# Allegro board SG2042_EVB_V2_0.brd (continued)
## Routing (per net, layer and track width the routed paths; a pad name or vN(x,y) marks a point on that pad's centre or on a via; arc(x,y) is an arc through that point) (continued)
ASM2812_PCIE_RX3_N: length 10
  TOP w0.114: U3235.N3 v1(147.66,90.61) ; C431.2 v1(148.41,97.82)
  ART14 w0.124: v1(147.66,90.61) 147.37,90.61 arc(147.23,90.64) 147.11,90.72 147.09,90.74 arc(147.02,90.85) 146.99,90.99 146.99,94.09 arc(146.96,94.25) 146.87,94.38 146.78,94.47 arc(146.75,94.52) 146.74,94.58 146.74,95.62 arc(146.83,96.1) 147.1,96.5 147.3,96.71 arc(147.46,96.77) 147.61,96.71 arc(147.76,96.64) 147.91,96.71 147.99,96.78 arc(148.05,96.93) 147.99,97.09 arc(147.93,97.24) 147.99,97.39 v1(148.41,97.82)
ASM2812_PCIE_RX3_P: length 10
  TOP w0.114: C429.2 v1(147.8,97.82) ; U3235.M3 v1(147.66,89.81)
  ART14 w0.124: v1(147.66,89.81) 146.91,90.56 arc(146.78,90.76) 146.74,90.99 146.74,94.09 arc(146.72,94.15) 146.69,94.2 146.61,94.29 arc(146.52,94.42) 146.48,94.58 146.48,95.73 arc(146.58,96.2) 146.85,96.61 147.72,97.48 arc(147.78,97.57) 147.8,97.68 v1(147.8,97.82)
ASM2812_PCIE_RX4_N: length 14.3
  TOP w0.114: C427.2 v1(143.71,101.37) ; U3235.R4 v1(145.26,89.01)
  ART14 w0.124: v1(143.71,101.37) 145.09,99.99 arc(145.31,99.67) 145.38,99.29 145.38,94.59 arc(145.37,94.54) 145.34,94.49 145.25,94.4 arc(145.17,94.27) 145.14,94.12 145.14,89.58 145.31,89.41 145.31,89.06 v1(145.26,89.01)
ASM2812_PCIE_RX4_P: length 14.3
  TOP w0.114: U3235.P4 v1(146.06,89.01) ; C425.2 v1(144.32,101.37)
  ART14 w0.124: v1(144.32,101.37) 144.32,101.23 arc(144.34,101.13) 144.4,101.04 145.27,100.17 arc(145.54,99.77) 145.63,99.29 145.63,94.59 arc(145.6,94.44) 145.52,94.31 145.43,94.23 arc(145.4,94.18) 145.39,94.12 145.39,89.69 145.56,89.51 v1(146.06,89.01)
ASM2812_PCIE_RX5_N: length 10.3
  TOP w0.114: U3235.U3 v1(144.46,90.61) ; C423.2 v1(144.32,97.82)
  ART14 w0.124: v1(144.32,97.82) 143.9,97.39 arc(143.84,97.24) 143.9,97.09 arc(143.96,96.93) 143.9,96.78 143.82,96.71 arc(143.67,96.64) 143.52,96.71 arc(143.37,96.77) 143.22,96.71 143.01,96.5 arc(142.74,96.1) 142.65,95.62 142.65,95.15 arc(142.72,94.77) 142.94,94.45 143.42,93.96 arc(143.69,93.56) 143.79,93.08 143.79,90.99 arc(143.82,90.85) 143.89,90.74 143.91,90.72 arc(144.03,90.64) 144.17,90.61 v1(144.46,90.61)
ASM2812_PCIE_RX5_P: length 10.3
  TOP w0.114: U3235.T3 v1(144.46,89.81) ; C421.2 v1(143.71,97.82)
  ART14 w0.124: v1(143.71,97.82) 143.71,97.68 arc(143.69,97.57) 143.63,97.48 142.76,96.61 arc(142.49,96.2) 142.39,95.73 142.39,95.15 arc(142.49,94.68) 142.76,94.27 143.25,93.79 arc(143.46,93.46) 143.54,93.08 143.54,90.99 arc(143.58,90.76) 143.71,90.56 v1(144.46,89.81)
ASM2812_PCIE_RX6_N: length 14.4
  TOP w0.114: U3235.W4 v1(142.06,89.01) ; C419.2 v1(139.62,101.37)
  ART14 w0.124: v1(139.62,101.37) 141,99.99 arc(141.22,99.67) 141.29,99.29 141.29,94.21 arc(141.37,93.79) 141.61,93.44 141.69,93.36 arc(141.87,93.09) 141.94,92.77 141.94,89.58 142.11,89.41 142.11,89.06 v1(142.06,89.01)
ASM2812_PCIE_RX6_P: length 14.4
  TOP w0.114: C417.2 v1(140.23,101.37) ; U3235.V4 v1(142.86,89.01)
  ART14 w0.124: v1(140.23,101.37) 140.23,101.23 arc(140.25,101.13) 140.31,101.04 141.18,100.17 arc(141.45,99.77) 141.54,99.29 141.54,94.21 arc(141.61,93.89) 141.79,93.62 141.87,93.54 arc(142.11,93.18) 142.19,92.77 142.19,89.69 v1(142.86,89.01)
ASM2812_PCIE_RX7_N: length 10.7
  TOP w0.114: C415.2 v1(140.23,97.82) ; U3235.AA3 v1(141.26,90.61)
  ART14 w0.124: v1(141.26,90.61) 140.97,90.61 arc(140.83,90.64) 140.71,90.72 140.69,90.74 arc(140.62,90.85) 140.59,90.99 140.59,92.22 arc(140.49,92.7) 140.22,93.1 138.85,94.48 arc(138.63,94.8) 138.56,95.18 138.56,95.62 arc(138.65,96.1) 138.92,96.5 139.13,96.71 arc(139.28,96.77) 139.43,96.71 arc(139.58,96.64) 139.74,96.71 139.81,96.78 arc(139.87,96.93) 139.81,97.09 arc(139.75,97.24) 139.81,97.39 v1(140.23,97.82)
ASM2812_PCIE_RX7_P: length 10.7
  TOP w0.114: C413.2 v1(139.62,97.82) ; U3235.Y3 v1(141.26,89.81)
  ART14 w0.124: v1(139.62,97.82) 139.62,97.68 arc(139.6,97.57) 139.54,97.48 138.67,96.61 arc(138.4,96.2) 138.31,95.73 138.31,95.18 arc(138.4,94.7) 138.67,94.3 140.05,92.92 arc(140.26,92.6) 140.34,92.22 140.34,90.99 arc(140.38,90.76) 140.52,90.56 v1(141.26,89.81)
ASM2812_PCIE_TX0_N: length 4.7
  TOP w0.099: U1.BR45 133.25,194.25 133.35,194.15 133.63,194.15 133.85,193.93 133.85,190.51 C6259.1
ASM2812_PCIE_TX0_P: length 4.4
  TOP w0.099: U1.BT45 133.25,193.85 133.35,193.95 133.55,193.95 133.65,193.85 133.65,190.51 C6258.1
ASM2812_PCIE_TX1_N: length 5.7
  TOP w0.099: C6261.1 132.85,191.6 132.85,195.93 132.63,196.15 132.35,196.15 132.25,196.25 U1.BN44
ASM2812_PCIE_TX1_P: length 5.3
  TOP w0.099: C6260.1 132.65,191.6 132.65,195.85 132.55,195.95 132.35,195.95 132.25,195.85 U1.BP44
ASM2812_PCIE_TX2_N: length 4.7
  TOP w0.099: U1.BR43 131.25,194.25 131.35,194.15 131.63,194.15 131.85,193.93 131.85,190.51 C6263.1
ASM2812_PCIE_TX2_P: length 4.4
  TOP w0.099: C6262.1 131.65,190.51 131.65,193.85 131.55,193.95 131.35,193.95 131.25,193.85 U1.BT43
ASM2812_PCIE_TX3_N: length 5.7
  TOP w0.099: C6265.1 130.85,191.6 130.85,195.93 130.63,196.15 130.35,196.15 130.25,196.25 U1.BN42
ASM2812_PCIE_TX3_P: length 5.3
  TOP w0.099: C6264.1 130.65,191.6 130.65,195.85 130.55,195.95 130.35,195.95 130.25,195.85 U1.BP42
ASM2812_PCIE_TX4_N: length 4.7
  TOP w0.099: C6267.1 129.85,190.51 129.85,193.93 129.63,194.15 129.35,194.15 129.25,194.25 U1.BR41
ASM2812_PCIE_TX4_P: length 4.4
  TOP w0.099: C6266.1 129.65,190.51 129.65,193.85 129.55,193.95 129.35,193.95 129.25,193.85 U1.BT41
ASM2812_PCIE_TX5_N: length 5.7
  TOP w0.099: U1.BN40 128.25,196.25 128.35,196.15 128.63,196.15 128.85,195.93 128.85,191.6 C6269.1
ASM2812_PCIE_TX5_P: length 5.3
  TOP w0.099: U1.BP40 128.25,195.85 128.35,195.95 128.55,195.95 128.65,195.85 128.65,191.6 C6268.1
ASM2812_PCIE_TX6_N: length 4.7
  TOP w0.099: C6271.1 127.85,190.51 127.85,193.93 127.63,194.15 127.35,194.15 127.25,194.25 U1.BR39
ASM2812_PCIE_TX6_P: length 4.4
  TOP w0.099: U1.BT39 127.25,193.85 127.35,193.95 127.55,193.95 127.65,193.85 127.65,190.51 C6270.1
ASM2812_PCIE_TX7_N: length 5.7
  TOP w0.099: U1.BN38 126.25,196.25 126.35,196.15 126.63,196.15 126.85,195.93 126.85,191.6 C6273.1
ASM2812_PCIE_TX7_P: length 5.3
  TOP w0.099: U1.BP38 126.25,195.85 126.35,195.95 126.55,195.95 126.65,195.85 126.65,191.6 C6272.1
ASM2812_VCC3.3V: length 31.8
  TOP w0.254: R12509.1 142.8,62.18 C5687.1 ; R12719.2 v1(128.42,72.77) ; R13030.2 v1(161.14,86.79) R12513.2 ; R12514.1 v1(133.83,59.05) 133.1,59.05 R12510.2 ; R12718.2 v1(132.59,73.89) ; R12512.2 v1(145.34,61.14) ; R12517.2 v1(132.59,72.77) ; R12720.2 v1(128.42,73.89) ; R12518.2 v1(130.51,72.77)
  TOP w0.381: v1(140.47,86.61) U3235.AA8 v1(140.47,85.81) U3235.AA9 ; U3235.F19 v1(153.26,77.01) U3235.E19 v1(154.06,77.01) U3235.D19 v1(154.86,77.01) U3235.C19 v1(155.66,77.01) U3235.B19 v1(156.46,77.01) U3235.A19 v1(157.26,77.01) ; U3235.W22 v1(142.06,75.41) U3235.Y22 v1(141.26,75.41) ; v1(142.82,62.81) C5687.1 U3236.8
  ART12 w0.254: 152.68,86.08 160.43,86.08 v1(161.14,86.79)
  BOTTOM w0.254: v1(141.26,75.41) 141.27,75.43 C5737.1 ; 139.88,85.57 C5736.1 140.31,86 ; 154.84,76.84 C5734.1 C5733.1 ; C5733.1 155.7,76.84 ; C5733.1 156.13,76.4 ; C5735.1 153.44,76.84
BISR_BYP: length 83.1
  TOP w0.102: U1.D41 v1(129.75,246.05) ; v1(186.51,279.53) R131.2 R117.1
  ART03 w0.102: v1(186.51,279.53) 186.51,280.04 186.13,280.42 186.13,284.52 185.21,285.45 164.53,285.45 130.63,251.55 130.63,247.91 130.13,247.41 130.13,246.43 v1(129.75,246.05)
BOOT_SEL0: length 95.3
  TOP w0.102: U1.J17 v1(104.75,241.05) ; R104.1 R119.2 v1(42.44,277.8)
  ART03 w0.102: v1(42.44,277.8) 43.23,278.59 43.23,283.17 46.65,286.59 68.74,286.59 104.37,250.96 104.37,241.43 v1(104.75,241.05)
BOOT_SEL1: length 80.8
  TOP w0.102: R112.1 R120.2 v1(45.64,281.25) ; U1.C16 v1(103.75,247.05)
  ART03 w0.102: v1(45.64,281.25) 50.57,286.18 68.48,286.18 103.75,250.91 v1(103.75,247.05)
BOOT_SEL2: length 87.9
  TOP w0.102: U1.H16 v1(103.75,242.05) ; R108.1 R121.2 v1(45.64,277.8)
  ART03 w0.102: v1(45.64,277.8) 46.23,278.38 46.23,281.26 50.74,285.78 67.77,285.78 102.63,250.91 102.63,248.32 103.13,247.82 103.13,242.67 v1(103.75,242.05)
BOOT_SEL3: length 90.3
  TOP w0.089: 104.65,248.26 104.65,248.75 104.58,248.81
  TOP w0.102: U1.B16 104.65,247.95 104.65,248.26 ; R111.1 R122.2 41.83,285.75 46.2,290.12 50.44,290.12 52.31,288.24 71.2,288.24 104.58,254.85 104.58,248.81
BOOT_SEL4: length 86.8
  TOP w0.102: v1(45.64,282.98) R123.2 R113.1 ; U1.J16 v1(103.75,241.05)
  ART03 w0.102: v1(45.64,282.98) 49.05,286.38 68.66,286.38 104.13,250.91 104.13,241.43 v1(103.75,241.05)
BOOT_SEL5: length 82.7
  TOP w0.102: R116.1 R125.2 v1(45.64,279.53) ; U1.D16 v1(103.75,246.05)
  ART03 w0.102: v1(103.75,246.05) 103.37,246.43 103.37,247.92 102.87,248.42 102.87,250.96 67.85,285.98 50.66,285.98 46.02,281.35 46.02,279.91 v1(45.64,279.53)
BOOT_SEL6: length 93.2
  TOP w0.102: R109.1 R126.2 v1(42.44,281.25) ; U1.G18 v1(105.75,243.05)
  ART03 w0.102: v1(42.44,281.25) 42.44,284.11 45.74,287.4 69.64,287.4 106.13,250.91 106.13,243.43 v1(105.75,243.05)
BOOT_SEL7: length 93
  TOP w0.102: U1.F17 v1(104.75,244.05) ; R106.1 R127.2 v1(42.44,279.53)
  ART03 w0.102: v1(104.75,244.05) 105.37,244.67 105.37,250.96 69.13,287.2 45.82,287.2 42.82,284.2 42.82,279.91 v1(42.44,279.53)
CLKIN_SEL0: length 2.2
  TOP w0.102: U17.15 v1(108.38,113.46)
  BOTTOM w0.102: R2112.1 R2111.2 108.2,113.29 v1(108.38,113.46)
CLKIN_SEL1: length 2.3
  TOP w0.102: U17.18 v1(106.88,113.46)
  BOTTOM w0.102: R2113.2 R2114.1 106.48,113.06 v1(106.88,113.46)
CORPOWER_OK: length 1.2
  TOP w0.102: R2075.2 v1(135.76,32.61)
  BOTTOM w0.102: R2075.2 v1(135.76,32.61)
CS0: length 136.7
  TOP w0.102: R2537.2 v1(205.84,288.01) ; U3262.31 v1(89.66,300.02)
  ART14 w0.102: v1(89.66,300.02) 90.3,300.66 91.07,300.66 94.09,303.68 204.64,303.68 208.41,299.92 208.41,293.4 205.46,290.45 205.46,288.39 v1(205.84,288.01)
CS1: length 125.2
  TOP w0.102: R2563.2 v1(204.14,288.01) ; U3263.31 v1(99.9,300.02)
  ART14 w0.102: v1(99.9,300.02) 100.53,300.66 101.3,300.66 103.72,303.07 204.39,303.07 206.86,300.6 206.86,296.85 207.29,296.42 207.29,293.14 203.76,289.61 203.76,288.39 v1(204.14,288.01)
CS2: length 113.5
  TOP w0.102: U3264.31 v1(110.13,300.02) ; R2564.2 v1(202.44,288.01)
  ART14 w0.102: v1(110.13,300.02) 110.77,300.66 111.54,300.66 113.34,302.46 203.04,302.46 205.89,299.61 205.89,296.31 206.65,295.55 206.65,293.37 202.06,288.77 202.06,288.39 v1(202.44,288.01)
CS3: length 94.5
  TOP w0.102: U3265.31 v1(120.37,300.02) ; R2565.2 v1(200.74,288.01)
  ART12 w0.102: v1(200.74,288.01) 200.36,288.39 200.36,290.57 197.08,293.84 197.08,299.42 192.82,303.68 124.8,303.68 121.78,300.66 121,300.66 v1(120.37,300.02)
CS4: length 82.5
  TOP w0.102: R2566.2 v1(199.03,288.01) ; U3266.31 v1(130.61,300.02)
  ART12 w0.102: v1(199.03,288.01) 198.65,288.39 198.65,290.89 194.84,294.7 194.84,300.79 192.56,303.07 134.42,303.07 132.01,300.66 131.24,300.66 v1(130.61,300.02)
CS5: length 69.8
  TOP w0.102: R2567.2 v1(197.33,288.01) ; U3267.31 v1(140.84,300.02)
  ART12 w0.102: v1(197.33,288.01) 196.95,288.39 196.95,291.2 194.23,293.92 194.23,299.3 191.07,302.46 144.05,302.46 142.25,300.66 141.48,300.66 v1(140.84,300.02)
CS6: length 259.1
  TOP w0.102: U3268.31 v1(105.49,141.05) ; R2555.2 v1(195.63,288.01)
  ART03 w0.102: v1(195.63,288.01) 196.82,289.2 206.82,289.2 208.15,287.87 208.15,286.61 209.37,285.39 209.37,275.66 214.17,270.86 214.17,234.06 206.55,226.44 206.55,166.9 v1(207.21,166.24)
  ART05 w0.102: v1(207.21,166.24) 207.21,162.88 199.38,155.04 154.58,155.04 138.4,138.86 106.91,138.86 105.49,140.28 v1(105.49,141.05)
DAC_VDD12A: length 35.6
  TOP w0.254: R12986.2 C6224.1 v1(176.3,80.62)
  TOP w0.381: U3273.R11 v1(189.08,103.63) ; U3273.P11 v1(189.08,102.83) ; U3273.A8 v1(191.48,91.64) ; U3273.N10 v1(189.88,102.03) ; U3273.L10 v1(189.88,99.64) ; U3273.B8 v1(191.48,92.45) ; U3273.P18 v1(182.69,102.83) ; U3273.J10 v1(189.88,98.05) ; U3273.A10 v1(189.88,91.64) ; U3273.C9 v1(190.68,93.25) ; U3273.U21 v1(180.29,105.23) ; U3273.P10 v1(189.88,102.83) ; U3273.K10 v1(189.88,98.85) ; U3273.B17 v1(183.49,92.45) ; U3273.N11 v1(189.08,102.03) ; U3273.M10 v1(189.88,101.23) ; U3273.P23 v1(178.69,102.83) ; U3273.B10 v1(189.88,92.45) ; U3273.B21 v1(180.29,92.45) ; U3273.J11 v1(189.08,98.05)
  ART03 w0.203: v1(185.88,80.01) 184.38,78.51 181.58,78.51 179.48,80.62 v1(176.3,80.62)
  BOTTOM w0.254: 189.51,100.43 C6200.1 ; C6200.1 189.94,100.86 ; C6200.1 189.94,100 ; 191.06,93.4 C6209.1 190.63,93.83 ; 188.29,101.19 C6199.1 188.72,101.63 ; 189.48,91.44 C6208.1 189.92,91.01 ; 191.87,91.44 C6207.1 191.44,91.01 ; 189.51,99.72 C6201.1 189.08,100.15
  BOTTOM w0.381: C6177.1 182.7,102.82 v1(182.69,102.83) 182.7,102.84 C6176.1 ; v1(189.08,98.05) 189.08,98.04 C6197.1 ; C6172.1 C6173.1 180.29,105.23 v1(180.29,105.23) ; R12973.2 187.55,106.11 v1(187.48,106.03) ; v1(178.69,102.83) 178.01,102.83 C6189.1 ; v1(189.08,103.63) 189.08,103.63 C6198.1 ; C6181.1 v1(180.29,92.45)
  vias: v1(185.88,80.54) v1(186.41,80.54) v1(186.41,80.01) v1(186.94,80.54) v1(186.94,80.01)
DDR0_ACT_N: length 56.3
  TOP w0.173: U1.BB55 v1(143.75,207.05)
  ART14 w0.15: v1(143.75,207.05) 144.25,206.55 145.95,206.55 146.73,205.77 152.65,205.77 163.89,217.02 163.89,224.34 165.68,231.64 166.16,233.57 arc(166.46,234.04) 166.99,234.23 167.1,234.23 arc(167.64,234.12) 168.1,233.81 168.18,233.74 arc(168.58,233.47) 169.05,233.37 169.08,233.37 arc(169.55,233.47) 169.95,233.74 170.08,233.86 arc(170.48,234.13) 170.95,234.23 170.98,234.23 arc(171.45,234.13) 171.85,233.86 171.92,233.79 arc(172.38,233.48) 172.93,233.37 173.7,233.37 arc(174.24,233.27) 174.7,232.96 174.72,232.94 arc(175.18,232.63) 175.72,232.53 J1.62
DDR0_ALERT_N: length 56.8
  TOP w0.173: J1.208 183.94,230.83 R2241.1 ; U1.AV51 v1(139.75,211.05)
  ART05 w0.135: v1(139.75,211.05) 140.25,210.55 149.26,210.55 159.76,221.06 159.76,224.18 166.41,230.83 167.1,230.83 arc(167.64,230.93) 168.1,231.24 168.18,231.31 arc(168.58,231.58) 169.05,231.67 169.08,231.67 arc(169.55,231.58) 169.95,231.31 170.08,231.19 arc(170.48,230.92) 170.95,230.83 170.98,230.83 arc(171.45,230.92) 171.85,231.19 171.92,231.26 arc(172.38,231.57) 172.93,231.67 173.7,231.67 arc(174.24,231.57) 174.7,231.26 174.72,231.24 arc(175.18,230.93) 175.73,230.83 176.5,230.83 arc(177.04,230.93) 177.5,231.24 177.57,231.31 arc(177.98,231.58) 178.45,231.67 178.48,231.67 arc(178.95,231.58) 179.35,231.31 179.42,231.24 arc(179.88,230.93) 180.42,230.83 J1.208
DDR0_ATB0: length 1.4
  TOP w0.173: U1.BD48 v1(136.75,205.05)
  BOTTOM w0.173: T11.1 v1(136.75,205.05)
DDR0_ATB1: length 1.4
  TOP w0.173: U1.BC48 v1(136.75,206.05)
  BOTTOM w0.173: T12.1 v1(136.75,206.05)
DDR0_BA0: length 48.8
  TOP w0.173: U1.BE55 v1(143.75,204.05)
  BOTTOM w0.173: J1.81 176.71,211.27 172.92,211.27 arc(172.38,211.38) 171.93,211.69 171.85,211.77 arc(171.45,212.03) 170.98,212.13 170.95,212.13 arc(170.48,212.03) 170.08,211.77 169.95,211.63 arc(169.55,211.37) 169.08,211.27 169.05,211.27 arc(168.58,211.37) 168.18,211.63 168.1,211.71 arc(167.64,212.02) 167.1,212.13 165.03,212.13 164.45,211.54 164.45,211.3 165.58,210.17 165.58,209.92 165.27,209.62 165.03,209.62 163.9,210.75 163.65,210.75 163.35,210.44 163.35,210.2 164.48,209.07 164.48,208.83 164.17,208.52 163.93,208.52 162.8,209.65 162.55,209.65 162.25,209.34 162.25,209.1 163.38,207.97 163.38,207.73 163.07,207.42 162.83,207.42 161.7,208.55 161.46,208.55 156.22,203.32 145.65,203.32 145.42,203.55 144.25,203.55 v1(143.75,204.05)
DDR0_BA1: length 51.7
  TOP w0.173: U1.BD54 v1(142.75,205.05)
  BOTTOM w0.173: J1.224 180.42,212.13 arc(179.88,212.23) 179.42,212.54 179.35,212.62 arc(178.95,212.88) 178.48,212.97 178.44,212.97 arc(177.98,212.88) 177.58,212.62 177.5,212.54 arc(177.04,212.23) 176.5,212.13 175.72,212.13 arc(175.18,212.23) 174.73,212.54 174.7,212.56 arc(174.24,212.87) 173.7,212.97 172.92,212.97 arc(172.38,213.08) 171.93,213.39 171.85,213.47 arc(171.45,213.73) 170.98,213.83 170.95,213.83 arc(170.48,213.73) 170.08,213.47 169.95,213.34 arc(169.55,213.07) 169.08,212.98 169.05,212.98 arc(168.57,213.07) 168.17,213.34 168.1,213.41 arc(167.64,213.72) 167.11,213.83 165.75,213.83 159.96,208.03 159.72,208.03 159.15,208.6 158.91,208.6 158.6,208.29 158.6,208.05 159.17,207.48 159.17,207.24 158.86,206.93 158.62,206.93 158.05,207.5 157.81,207.5 157.5,207.19 157.5,206.95 158.07,206.38 158.07,206.14 157.76,205.83 157.52,205.83 156.95,206.4 156.71,206.4 156.4,206.09 156.4,205.85 156.97,205.28 156.97,205.04 155.94,204.01 145.77,204.01 145.23,204.55 143.25,204.55 v1(142.75,205.05)
DDR0_BG0: length 53.3
  TOP w0.173: U1.BC55 v1(143.75,206.05)
  ART14 w0.15: v1(143.75,206.05) 145.05,206.05 145.83,205.28 152.86,205.28 164.39,216.81 164.39,224.28 166.16,231.51 166.34,232.26 arc(166.47,232.45) 166.68,232.53 167.1,232.53 arc(167.64,232.42) 168.1,232.11 168.18,232.04 arc(168.58,231.77) 169.05,231.67 169.08,231.67 arc(169.55,231.77) 169.95,232.04 170.08,232.16 arc(170.48,232.43) 170.95,232.53 170.98,232.53 arc(171.45,232.43) 171.85,232.16 171.92,232.09 arc(172.38,231.78) 172.92,231.68 J1.63
DDR0_BG1: length 55.7
  TOP w0.173: U1.AV52 v1(140.75,211.05)
  ART07 w0.135: v1(140.75,211.05) 141.25,210.55 149.79,210.55 160.07,220.83 160.07,226.18 165.24,231.35 165.43,231.35 165.64,231.14 165.83,231.14 166.13,231.43 166.13,231.62 165.91,231.84 165.91,232.03 166.41,232.53 167.1,232.53 arc(167.64,232.63) 168.1,232.94 168.18,233.01 arc(168.58,233.28) 169.05,233.37 169.08,233.37 arc(169.55,233.28) 169.95,233.01 170.08,232.89 arc(170.48,232.62) 170.95,232.53 170.98,232.53 arc(171.45,232.62) 171.85,232.89 171.92,232.96 arc(172.38,233.27) 172.93,233.37 173.7,233.37 arc(174.24,233.27) 174.7,232.96 174.72,232.94 arc(175.18,232.63) 175.73,232.53 176.5,232.53 arc(177.04,232.63) 177.5,232.94 177.57,233.01 arc(177.98,233.28) 178.45,233.37 178.48,233.37 arc(178.95,233.28) 179.35,233.01 180.39,231.97 arc(180.48,231.84) J1.207
DDR0_CAL_0: length 2.4
  TOP w0.173: U1.BA49 v1(137.75,208.05)
  BOTTOM w0.173: T10.1 138.25,209.55 R701.1 v1(137.75,208.05)
DDR0_CID0: length 47.4
  TOP w0.173: U1.BG52 v1(140.75,202.05)
  ART07 w0.135: v1(140.75,202.05) 141.25,202.55 159.01,202.55 159.14,202.42 159.14,201.51 159.28,201.37 159.69,201.37 159.83,201.51 159.83,202.42 159.96,202.55 160.38,202.55 160.51,202.42 160.51,201.51 160.65,201.37 161.06,201.37 161.2,201.51 161.2,202.42 161.33,202.55 161.75,202.55 161.89,202.42 161.89,201.51 162.02,201.37 162.44,201.37 162.57,201.51 162.57,202.42 162.71,202.55 164.07,202.55 164.41,202.22 164.41,202.03 163.89,201.51 163.89,201.32 164.18,201.02 164.37,201.02 164.89,201.54 165.08,201.54 165.38,201.25 165.38,201.06 165.08,200.76 165.08,200.57 165.38,200.28 165.57,200.28 165.86,200.57 166.05,200.57 166.4,200.22 167.1,200.22 arc(167.64,200.33) 168.1,200.64 168.18,200.71 arc(168.58,200.98) 169.05,201.08 169.08,201.08 arc(169.55,200.98) 169.95,200.71 170.08,200.59 arc(170.48,200.32) 170.95,200.22 170.98,200.22 arc(171.45,200.32) 171.85,200.59 171.92,200.66 arc(172.38,200.97) 172.93,201.08 J1.93
DDR0_CID1: length 47.5
  TOP w0.173: U1.BF51 v1(139.75,203.05)
  ART05 w0.135: v1(139.75,203.05) 140.25,202.55 161.2,202.55 161.83,201.92 162.36,201.92 162.5,202.06 162.5,202.68 162.63,202.82 163.05,202.82 163.18,202.68 163.18,202.06 163.32,201.92 163.73,201.92 163.87,202.06 163.87,202.68 164,202.82 164.42,202.82 164.55,202.68 164.55,202.06 164.69,201.92 165.11,201.92 165.24,202.06 165.24,202.68 165.38,202.82 165.79,202.82 165.93,202.68 165.93,202.06 166.06,201.92 167.1,201.92 arc(167.64,202.03) 168.1,202.34 168.18,202.41 arc(168.58,202.68) 169.05,202.78 169.08,202.78 arc(169.55,202.68) 169.95,202.41 170.08,202.29 arc(170.48,202.02) 170.95,201.92 170.98,201.92 arc(171.45,202.02) 171.85,202.29 171.92,202.36 arc(172.38,202.67) 172.93,202.78 173.7,202.78 arc(174.24,202.67) 174.7,202.36 174.72,202.34 arc(175.18,202.03) 175.73,201.92 176.5,201.92 arc(177.04,201.82) 177.5,201.51 177.52,201.49 arc(177.98,201.18) 178.52,201.08 J1.237
DDR0_CKE0: length 57.6
  TOP w0.173: U1.AU50 v1(138.75,212.05)
  ART05 w0.135: J1.60 175.73,234.23 arc(175.18,234.33) 174.72,234.64 174.7,234.66 arc(174.24,234.97) 173.7,235.07 172.93,235.07 arc(172.38,234.97) 171.92,234.66 171.85,234.59 arc(171.45,234.32) 170.98,234.23 170.95,234.23 arc(170.48,234.32) 170.08,234.59 169.95,234.71 arc(169.55,234.98) 169.08,235.07 169.05,235.07 arc(168.58,234.98) 168.18,234.71 168.1,234.64 arc(167.64,234.33) 167.1,234.23 166.41,234.23 165.49,233.3 165.49,233.11 166.04,232.55 166.04,232.36 165.75,232.07 165.56,232.07 165,232.63 164.81,232.63 164.52,232.33 164.52,232.14 165.07,231.58 165.07,231.39 164.78,231.1 164.59,231.1 164.03,231.66 163.84,231.66 158.97,226.79 158.97,221.39 149.13,211.55 139.25,211.55 v1(138.75,212.05)
DDR0_CKE1: length 57.4
  TOP w0.173: U1.AU51 v1(139.75,212.05)
  ART07 w0.135: J1.203 178.52,235.08 arc(177.98,235.18) 177.52,235.49 177.5,235.51 arc(177.04,235.82) 176.5,235.93 175.73,235.93 arc(175.18,236.03) 174.72,236.34 174.7,236.36 arc(174.24,236.67) 173.7,236.77 172.93,236.77 arc(172.38,236.67) 171.92,236.36 171.85,236.29 arc(171.45,236.02) 170.98,235.93 170.95,235.93 arc(170.48,236.02) 170.08,236.29 169.95,236.41 arc(169.55,236.68) 169.08,236.77 169.05,236.77 arc(168.58,236.68) 168.18,236.41 168.1,236.34 arc(167.64,236.03) 167.1,235.93 166.41,235.93 159.22,228.74 159.22,221.15 149.62,211.55 140.25,211.55 v1(139.75,212.05)
DDR0_CLK0_N: length 54.6
  TOP w0.127: U1.BB52 v1(140.75,207.05)
  ART05 w0.112: 146.43,206.43 146.4,206.43 146.39,206.44 141.2,206.44 140.97,206.67 140.97,206.83 v1(140.75,207.05)
  ART05 w0.117: 146.43,206.43 154.61,206.43 155.77,207.58 155.93,207.58 156.67,206.85 157.04,206.85 157.61,207.42 157.61,207.79 156.87,208.53 156.87,208.69 157.3,209.12 157.47,209.12 158.21,208.38 158.57,208.38 159.15,208.95 159.15,209.32 158.41,210.06 158.41,210.23 158.84,210.65 159,210.65 159.74,209.92 160.11,209.92 160.68,210.49 160.68,210.86 159.94,211.59 159.94,211.76 160.37,212.19 160.54,212.19 161.28,211.45 161.64,211.45 162.22,212.02 162.22,212.39 161.48,213.13 161.48,213.29 166.33,218.15 171.05,218.15 arc(171.94,218.33) 172.7,218.83 175.71,221.84 arc(176.1,222.11) 176.57,222.2 177.08,222.2 arc(177.21,222.17) 177.31,222.07 177.32,222.03 arc(177.34,221.88) 177.24,221.76 J1.75
DDR0_CLK0_P: length 54.6
  TOP w0.127: U1.BB53 v1(141.75,207.05)
  ART05 w0.112: 146.43,206.67 146.4,206.67 146.39,206.66 141.29,206.66 141.19,206.77 141.19,206.93 141.31,207.05 v1(141.75,207.05)
  ART05 w0.117: J1.74 177.51,222.43 arc(177.36,222.44) 177.21,222.45 176.57,222.45 arc(176.01,222.33) 175.53,222.02 172.53,219.01 arc(171.85,218.55) 171.05,218.39 166.23,218.39 161.23,213.4 161.23,213.03 161.97,212.29 161.97,212.13 161.54,211.7 161.38,211.7 160.64,212.43 160.27,212.43 159.7,211.86 159.7,211.49 160.44,210.76 160.44,210.59 160.01,210.16 159.84,210.16 159.1,210.9 158.74,210.9 158.17,210.33 158.17,209.96 158.9,209.22 158.9,209.06 158.47,208.63 158.31,208.63 157.57,209.36 157.2,209.36 156.63,208.79 156.63,208.42 157.37,207.69 157.37,207.52 156.94,207.09 156.77,207.09 156.03,207.83 155.67,207.83 154.51,206.67 146.43,206.67
DDR0_CLK1_N: length 53.6
  TOP w0.127: U1.BC53 v1(141.75,206.05)
  ART05 w0.112: 146.43,205.25 146.4,205.25 146.39,205.26 145.34,205.26 145.17,205.44 142.2,205.44 141.96,205.67 141.96,205.84 v1(141.75,206.05)
  ART05 w0.117: J1.219 181.05,221.76 arc(181.14,221.87) 181.13,222.02 181.1,222.07 arc(181.01,222.17) 180.88,222.2 180.38,222.2 arc(179.92,222.11) 179.54,221.85 179.4,221.72 arc(179,221.45) 178.52,221.35 178.4,221.35 arc(178.02,221.28) 177.69,221.06 177.52,220.89 arc(177.1,220.6) 176.6,220.5 176.48,220.5 arc(176.08,220.42) 175.73,220.19 173.2,217.66 arc(172.44,217.15) 171.55,216.98 168.83,216.98 168.1,216.25 167.74,216.25 167.2,216.78 167.04,216.78 166.61,216.35 166.61,216.18 167.14,215.65 167.14,215.28 166.57,214.71 166.2,214.71 165.67,215.25 165.5,215.25 165.07,214.82 165.07,214.65 165.61,214.12 165.61,213.75 165.03,213.18 164.67,213.18 164.13,213.71 163.97,213.71 163.54,213.28 163.54,213.12 164.07,212.58 164.07,212.21 157.11,205.25 146.43,205.25
DDR0_CLK1_P: length 53.7
  TOP w0.127: U1.BC54 v1(142.75,206.05)
  ART05 w0.112: 146.43,205.5 146.4,205.5 146.39,205.49 145.44,205.49 145.26,205.66 142.29,205.66 142.18,205.77 142.18,205.94 142.3,206.05 v1(142.75,206.05)
  ART05 w0.117: J1.218 181.31,222.43 arc(181.16,222.44) 181.01,222.45 180.38,222.45 arc(179.83,222.34) 179.37,222.03 179.23,221.89 arc(178.9,221.67) 178.52,221.6 178.4,221.6 arc(177.93,221.5) 177.52,221.23 177.35,221.06 arc(177,220.83) 176.6,220.75 176.48,220.75 arc(175.98,220.65) 175.56,220.36 173.03,217.83 arc(172.35,217.38) 171.55,217.22 168.73,217.22 168,216.49 167.84,216.49 167.3,217.02 166.94,217.02 166.36,216.45 166.36,216.08 166.9,215.55 166.9,215.38 166.47,214.96 166.3,214.96 165.77,215.49 165.4,215.49 164.83,214.92 164.83,214.55 165.36,214.02 165.36,213.85 164.93,213.42 164.77,213.42 164.23,213.95 163.87,213.95 163.29,213.38 163.29,213.01 163.83,212.48 163.83,212.32 157.01,205.5 146.43,205.5
DDR0_CS_N0: length 46.8
  TOP w0.173: U1.BF56 v1(144.75,203.05)
  BOTTOM w0.173: v1(144.75,203.05) 145.21,203.05 145.63,202.63 156.74,202.63 157.83,203.71 158.07,203.71 158.91,202.87 159.16,202.87 159.46,203.18 159.46,203.42 158.62,204.26 158.62,204.51 158.93,204.81 159.17,204.81 160.01,203.97 160.26,203.97 160.56,204.28 160.56,204.52 159.72,205.36 159.72,205.61 160.02,205.91 160.27,205.91 161.11,205.07 161.36,205.07 161.66,205.37 161.66,205.62 160.82,206.46 160.82,206.71 161.12,207.01 161.37,207.01 162.38,206 162.63,206 165.35,208.73 167.11,208.73 arc(167.64,208.83) 168.1,209.14 168.18,209.22 arc(168.58,209.48) 169.05,209.57 169.08,209.57 arc(169.55,209.48) 169.95,209.22 170.08,209.08 arc(170.48,208.82) 170.95,208.73 170.98,208.73 arc(171.45,208.82) 171.85,209.08 171.93,209.16 arc(172.38,209.47) 172.92,209.57 173.7,209.57 arc(174.24,209.47) 174.7,209.16 174.73,209.14 arc(175.18,208.83) 175.72,208.73 J1.84
DDR0_CS_N1: length 45.2
  TOP w0.173: U1.BG55 v1(143.75,202.05)
  BOTTOM w0.173: J1.89 172.92,204.48 arc(172.38,204.37) 171.93,204.06 171.85,203.98 arc(171.45,203.72) 170.98,203.62 170.95,203.62 arc(170.48,203.72) 170.08,203.98 169.95,204.12 arc(169.55,204.38) 169.08,204.48 169.05,204.48 arc(168.58,204.38) 168.18,204.12 168.1,204.04 arc(167.64,203.73) 167.1,203.62 166.14,203.62 165.97,203.8 165.97,205.77 165.79,205.94 165.36,205.94 165.19,205.77 165.19,203.8 165.02,203.62 164.58,203.62 164.41,203.8 164.41,205.26 164.24,205.44 163.81,205.44 163.63,205.26 163.63,203.8 163.46,203.62 163.03,203.62 162.86,203.8 162.86,204.75 162.68,204.93 162.25,204.93 162.08,204.75 162.08,203.8 161.91,203.62 161.28,203.62 159.59,201.94 145.59,201.94 144.97,202.55 144.25,202.55 v1(143.75,202.05)
DDR0_DM0_N: length 93.8
  TOP w0.127: U1.AJ55 v1(143.75,220.05)
  ART14 w0.122: v1(143.75,220.05) 144.03,220.33 144.03,220.42 144.27,220.66 145.3,220.66 145.95,221.3 145.95,221.34
  ART14 w0.135: J1.8 178.03,279.25 arc(177.95,279.42) 177.83,279.56 177.52,279.88 arc(177.1,280.16) 176.61,280.26 175.68,280.26 arc(175.13,280.15) 174.66,279.84 174.58,279.75 arc(174.2,279.49) 173.75,279.41 172.88,279.41 arc(172.43,279.49) 172.05,279.75 171.94,279.86 arc(171.5,280.15) 170.98,280.26 170.95,280.26 arc(170.43,280.15) 169.99,279.86 169.86,279.73 arc(169.5,279.49) 169.08,279.41 169.05,279.41 arc(168.63,279.49) 168.27,279.73 168.16,279.84 arc(167.7,280.15) 167.15,280.26 164.9,280.26 164.2,279.55 164.01,279.55 163.17,280.39 162.77,280.39 162.17,279.79 162.17,279.39 163,278.55 163,278.36 162.56,277.92 162.37,277.92 161.53,278.75 161.13,278.75 160.53,278.15 160.53,277.75 161.37,276.91 161.37,276.72 160.92,276.28 160.73,276.28 159.89,277.11 159.49,277.11 158.89,276.52 158.89,276.11 159.73,275.27 159.73,275.08 146.74,262.09 146.74,222.13 145.95,221.34
DDR0_DM0_P: length 93.7
  TOP w0.127: U1.AJ56 v1(144.75,220.05)
  ART14 w0.122: v1(144.75,220.05) 144.37,220.05 144.25,220.17 144.25,220.33 144.36,220.44 145.39,220.44 146.07,221.13 146.11,221.13 146.13,221.16
  ART14 w0.135: 146.13,221.16 147,222.02 147,261.98 159.99,274.97 159.99,275.38 159.15,276.22 159.15,276.41 159.6,276.85 159.79,276.85 160.62,276.01 161.03,276.01 161.63,276.61 161.63,277.02 160.79,277.86 160.79,278.05 161.23,278.49 161.42,278.49 162.26,277.65 162.67,277.65 163.27,278.25 163.27,278.66 162.43,279.5 162.43,279.69 162.87,280.13 163.06,280.13 163.9,279.29 164.31,279.29 165.01,279.99 167.15,279.99 arc(167.6,279.91) 167.98,279.65 168.09,279.54 arc(168.53,279.25) 169.05,279.14 169.08,279.14 arc(169.6,279.25) 170.04,279.54 170.17,279.67 arc(170.53,279.91) 170.95,279.99 170.98,279.99 arc(171.4,279.91) 171.76,279.67 171.87,279.56 arc(172.33,279.25) 172.88,279.14 173.75,279.14 arc(174.3,279.25) 174.76,279.56 174.85,279.65 arc(175.23,279.91) 175.68,279.99 176.61,279.99 arc(177,279.92) 177.33,279.69 177.65,279.38 arc(177.72,279.25) 177.69,279.11 177.65,279.03 arc(177.52,278.92) 177.34,278.94 J1.7
DDR0_DM1_N: length 91.3
  TOP w0.127: U1.AP56 v1(144.75,215.05)
  ART14 w0.122: v1(144.75,215.05) 144.29,215.05 144.17,215.17 144.17,215.32 144.29,215.44 145.31,215.44 145.67,215.81 146.86,215.81 146.88,215.78 146.91,215.78
  ART14 w0.135: 146.91,215.78 148.5,215.78 152.47,219.75 152.47,245.78 153.86,247.17 153.86,247.58 153.21,248.23 153.21,248.42 153.66,248.86 153.85,248.86 154.5,248.21 154.9,248.21 155.5,248.81 155.5,249.22 154.85,249.87 154.85,250.06 155.29,250.5 155.48,250.5 156.14,249.85 156.54,249.85 157.14,250.45 157.14,250.86 156.49,251.51 156.49,251.7 156.93,252.14 157.12,252.14 157.78,251.49 158.18,251.49 158.78,252.09 158.78,252.5 158.13,253.15 158.13,253.34 158.57,253.78 158.76,253.78 159.41,253.13 159.82,253.13 160.42,253.73 160.42,254.14 159.77,254.79 159.77,254.98 160.21,255.42 160.4,255.42 161.05,254.77 161.46,254.77 163.13,256.44 163.13,266.53 166.39,269.79 167.23,269.79 arc(167.6,269.72) 167.92,269.51 168.09,269.34 arc(168.53,269.05) 169.05,268.94 169.08,268.94 arc(169.6,269.05) 170.04,269.34 170.17,269.47 arc(170.53,269.71) 170.95,269.79 170.98,269.79 arc(171.4,269.71) 171.76,269.47 171.87,269.36 arc(172.33,269.05) 172.88,268.94 173.77,268.94 arc(174.3,269.05) 174.75,269.35 174.84,269.44 arc(175.2,269.68) 175.63,269.77 177.12,269.77 arc(177.24,269.73) 177.33,269.64 177.34,269.61 arc(177.36,269.48) 177.27,269.37 J1.19
DDR0_DM1_P: length 91.2
  TOP w0.127: U1.AP55 v1(143.75,215.05)
  ART14 w0.122: 146.91,216.04 146.88,216.04 146.86,216.02 145.58,216.02 145.22,215.66 144.2,215.66 143.96,215.41 143.96,215.26 v1(143.75,215.05)
  ART14 w0.135: J1.18 177.53,270.01 arc(177.38,270.02) 177.23,270.03 175.63,270.03 arc(175.1,269.92) 174.65,269.62 174.56,269.53 arc(174.2,269.29) 173.77,269.21 172.88,269.21 arc(172.43,269.29) 172.05,269.55 171.94,269.66 arc(171.5,269.95) 170.98,270.06 170.95,270.06 arc(170.43,269.95) 169.99,269.66 169.86,269.53 arc(169.5,269.29) 169.08,269.21 169.05,269.21 arc(168.63,269.29) 168.27,269.53 168.1,269.7 arc(167.7,269.96) 167.23,270.06 166.29,270.06 162.87,266.64 162.87,256.54 161.35,255.03 161.16,255.03 160.51,255.68 160.1,255.68 159.51,255.09 159.51,254.68 160.16,254.03 160.16,253.84 159.71,253.39 159.52,253.39 158.87,254.04 158.46,254.04 157.87,253.45 157.87,253.04 158.52,252.39 158.52,252.2 158.07,251.75 157.88,251.75 157.23,252.4 156.83,252.4 156.23,251.81 156.23,251.4 156.88,250.75 156.88,250.56 156.43,250.11 156.24,250.11 155.59,250.77 155.19,250.77 154.59,250.17 154.59,249.76 155.24,249.11 155.24,248.92 154.8,248.47 154.61,248.47 153.95,249.13 153.55,249.13 152.95,248.53 152.95,248.12 153.6,247.47 153.6,247.28 152.21,245.89 152.21,219.86 148.39,216.04 146.91,216.04
DDR0_DM2_N: length 79.2
  TOP w0.127: U1.AK49 v1(137.75,219.05)
  ART05 w0.112: 145.91,222.36 145.91,222.35 145.23,221.66 140.2,221.66 139.2,220.66 138.45,220.66 138.14,220.35 138.14,219.74 137.75,219.35 v1(137.75,219.05)
  ART05 w0.117: J1.30 178.01,260.58 arc(177.94,260.72) 177.84,260.84 177.52,261.17 arc(177.1,261.45) 176.6,261.55 175.68,261.55 arc(175.13,261.44) 174.67,261.13 174.59,261.05 arc(174.2,260.79) 173.74,260.7 172.88,260.7 arc(172.43,260.79) 172.04,261.05 171.94,261.15 arc(171.5,261.44) 170.98,261.55 170.95,261.55 arc(170.43,261.44) 169.99,261.15 169.86,261.02 arc(169.5,260.78) 169.08,260.7 169.05,260.7 arc(168.62,260.78) 168.26,261.02 168.09,261.19 arc(167.7,261.45) 167.24,261.55 166.33,261.55 154.2,249.42 154.03,249.42 153.34,250.1 152.97,250.1 152.4,249.53 152.4,249.16 153.09,248.47 153.09,248.31 152.66,247.88 152.5,247.88 151.81,248.57 151.44,248.57 150.87,248 150.87,247.63 151.55,246.94 151.55,246.77 151.13,246.35 150.96,246.35 150.27,247.03 149.9,247.03 149.33,246.46 149.33,246.09 150.02,245.4 150.02,245.24 149.06,244.28 149.06,225.51 145.91,222.36
DDR0_DM2_P: length 79.1
  TOP w0.127: U1.AK50 v1(138.75,219.05)
  ART05 w0.112: 146.08,222.19 146.07,222.19 145.32,221.44 140.3,221.44 139.3,220.44 138.55,220.44 138.36,220.25 138.36,219.65 138.21,219.5 138.21,219.24 138.4,219.05 v1(138.75,219.05)
  ART05 w0.117: 146.08,222.19 149.31,225.41 149.31,244.18 150.26,245.14 150.26,245.51 149.57,246.19 149.57,246.36 150.01,246.79 150.17,246.79 150.86,246.1 151.23,246.1 151.8,246.67 151.8,247.04 151.11,247.73 151.11,247.89 151.54,248.33 151.71,248.33 152.39,247.64 152.76,247.64 153.33,248.21 153.33,248.58 152.64,249.26 152.64,249.43 153.08,249.86 153.24,249.86 153.93,249.17 154.3,249.17 166.43,261.3 167.24,261.3 arc(167.61,261.23) 167.92,261.02 168.09,260.85 arc(168.53,260.56) 169.05,260.45 169.08,260.45 arc(169.6,260.56) 170.04,260.85 170.16,260.98 arc(170.52,261.22) 170.95,261.3 170.98,261.3 arc(171.4,261.22) 171.76,260.98 171.87,260.87 arc(172.33,260.56) 172.88,260.45 173.74,260.45 arc(174.29,260.56) 174.76,260.87 174.84,260.95 arc(175.23,261.21) 175.68,261.3 176.6,261.3 arc(177,261.22) 177.34,261 177.65,260.69 arc(177.71,260.56) 177.69,260.42 177.65,260.35 arc(177.51,260.23) 177.32,260.25 J1.29
DDR0_DM3_N: length 75.6
  TOP w0.127: U1.AP52 v1(140.75,215.05)
  ART05 w0.112: v1(140.75,215.05) 140.26,215.05 140.14,215.17 140.14,215.33 140.24,215.44 146.74,215.44 147.2,215.89 147.21,215.89
  ART05 w0.117: 147.21,215.89 154.55,223.24 154.55,236.3 155.43,237.18 155.43,237.54 154.79,238.19 154.79,238.36 155.22,238.79 155.38,238.79 156.03,238.14 156.4,238.14 156.97,238.71 156.97,239.08 156.32,239.73 156.32,239.89 156.75,240.32 156.92,240.32 157.56,239.67 157.93,239.67 158.5,240.25 158.5,240.61 157.86,241.26 157.86,241.43 158.29,241.86 158.45,241.86 159.1,241.21 159.47,241.21 160.04,241.78 160.04,242.15 159.39,242.8 159.39,242.96 159.82,243.39 159.99,243.39 160.63,242.74 161,242.74 161.57,243.32 161.57,243.68 160.93,244.33 160.93,244.5 161.36,244.93 161.52,244.93 162.17,244.28 162.54,244.28 163.34,245.08 163.34,248.02 166.42,251.1 167.2,251.1 arc(167.61,251.02) 167.95,250.79 168.09,250.65 arc(168.53,250.36) 169.05,250.25 169.08,250.25 arc(169.6,250.36) 170.04,250.65 170.16,250.78 arc(170.52,251.02) 170.95,251.1 170.98,251.1 arc(171.4,251.02) 171.76,250.78 171.87,250.67 arc(172.33,250.36) 172.88,250.25 173.74,250.25 arc(174.29,250.36) 174.76,250.67 174.84,250.75 arc(175.23,251.01) 175.68,251.1 177.08,251.1 arc(177.21,251.07) 177.3,250.97 177.33,250.92 arc(177.34,250.77) 177.25,250.66 J1.41
DDR0_DM3_P: length 75.5
  TOP w0.127: U1.AP51 v1(139.75,215.05)
  ART05 w0.112: 147.04,216.07 147.04,216.05 146.65,215.66 140.15,215.66 139.92,215.43 139.92,215.22 v1(139.75,215.05)
  ART05 w0.117: J1.40 177.51,251.33 arc(177.36,251.34) 177.21,251.35 175.68,251.35 arc(175.13,251.24) 174.67,250.93 174.59,250.85 arc(174.2,250.59) 173.74,250.5 172.88,250.5 arc(172.43,250.59) 172.04,250.85 171.94,250.95 arc(171.5,251.24) 170.98,251.35 170.95,251.35 arc(170.43,251.24) 169.99,250.95 169.86,250.82 arc(169.5,250.58) 169.08,250.5 169.05,250.5 arc(168.62,250.58) 168.26,250.82 168.12,250.97 arc(167.7,251.25) 167.2,251.35 166.32,251.35 163.09,248.12 163.09,245.18 162.44,244.52 162.27,244.52 161.62,245.17 161.25,245.17 160.68,244.6 160.68,244.23 161.33,243.58 161.33,243.42 160.9,242.99 160.74,242.99 160.09,243.64 159.72,243.64 159.15,243.06 159.15,242.7 159.8,242.05 159.8,241.88 159.37,241.45 159.2,241.45 158.55,242.1 158.19,242.1 157.61,241.53 157.61,241.16 158.26,240.51 158.26,240.35 157.83,239.92 157.67,239.92 157.02,240.57 156.65,240.57 156.08,239.99 156.08,239.63 156.73,238.98 156.73,238.81 156.3,238.38 156.13,238.38 155.48,239.03 155.12,239.03 154.54,238.46 154.54,238.09 155.19,237.44 155.19,237.28 154.31,236.4 154.31,223.34 147.04,216.07
DDR0_DM4_N: length 49.3
  TOP w0.127: U1.BJ54 v1(142.75,200.05)
  ART14 w0.122: 146.43,199.08 146.4,199.08 146.37,199.05 146.11,199.05 145.5,199.66 142.31,199.66 142.18,199.78 142.18,199.92 142.31,200.05 v1(142.75,200.05)
  ART14 w0.135: 146.43,199.08 151.08,199.08 151.36,198.79 151.36,197.09 151.5,196.96 152.13,196.96 152.26,197.09 152.26,198.79 152.55,199.08 153.39,199.08 153.68,198.79 153.68,197.07 153.81,196.93 154.44,196.93 154.58,197.07 154.58,198.79 154.86,199.08 155.71,199.08 156,198.79 156,197.09 156.13,196.96 167.15,196.96 arc(167.7,196.85) 168.16,196.54 168.27,196.43 arc(168.63,196.19) 169.05,196.11 169.08,196.11 arc(169.5,196.19) 169.86,196.43 169.99,196.56 arc(170.43,196.85) 170.95,196.96 170.98,196.96 arc(171.5,196.85) 171.94,196.56 172.05,196.45 arc(172.43,196.19) 172.88,196.11 173.75,196.11 arc(174.2,196.19) 174.58,196.45 174.66,196.54 arc(175.13,196.85) 175.68,196.96 176.6,196.96 arc(177.1,196.86) 177.52,196.58 177.84,196.25 arc(177.95,196.12) 178.02,195.96 J1.100
DDR0_DM4_P: length 49.2
  TOP w0.127: U1.BJ53 v1(141.75,200.05)
  ART14 w0.122: v1(141.75,200.05) 141.97,199.83 141.97,199.69 142.22,199.44 145.42,199.44 146.02,198.84 146.37,198.84 146.4,198.81 146.43,198.81
  ART14 w0.135: 146.43,198.81 150.97,198.81 151.1,198.68 151.1,196.98 151.39,196.69 152.23,196.69 152.52,196.98 152.52,198.68 152.66,198.81 153.28,198.81 153.42,198.68 153.42,196.96 153.71,196.67 154.55,196.67 154.84,196.96 154.84,198.68 154.97,198.81 155.6,198.81 155.74,198.68 155.74,196.98 156.02,196.69 167.15,196.69 arc(167.6,196.61) 167.98,196.35 168.09,196.24 arc(168.53,195.95) 169.05,195.84 169.08,195.84 arc(169.6,195.95) 170.04,196.24 170.17,196.37 arc(170.53,196.61) 170.95,196.69 170.98,196.69 arc(171.4,196.61) 171.76,196.37 171.87,196.26 arc(172.33,195.95) 172.88,195.84 173.75,195.84 arc(174.3,195.95) 174.76,196.26 174.85,196.35 arc(175.23,196.61) 175.68,196.69 176.6,196.69 arc(177,196.62) 177.34,196.39 177.65,196.07 arc(177.72,195.94) 177.69,195.8 177.67,195.75 arc(177.52,195.63) 177.33,195.65 J1.99
DDR0_DM5_N: length 53.1
  TOP w0.127: U1.BT54 v1(142.75,193.05)
  ART14 w0.122: 144.13,191.66 144.11,191.68 144.11,191.72 143.14,192.69 143.14,193.33 143.03,193.44 142.87,193.44 142.75,193.32 v1(142.75,193.05)
  ART14 w0.135: J1.111 177.26,186.07 arc(177.35,186.17) 177.33,186.31 177.31,186.36 arc(177.21,186.46) 177.09,186.49 175.68,186.49 arc(175.23,186.41) 174.85,186.15 174.76,186.06 arc(174.3,185.75) 173.75,185.64 172.88,185.64 arc(172.33,185.75) 171.87,186.06 171.76,186.17 arc(171.4,186.41) 170.98,186.49 170.95,186.49 arc(170.53,186.41) 170.17,186.17 170.04,186.04 arc(169.6,185.75) 169.08,185.64 169.05,185.64 arc(168.53,185.75) 168.09,186.04 167.97,186.16 arc(167.6,186.41) 167.17,186.49 160.73,186.49 160.44,186.78 160.44,188.17 160.31,188.31 159.68,188.31 159.54,188.17 159.54,187.21 159.26,186.92 158.41,186.92 158.12,187.21 158.12,188.17 157.99,188.31 157.36,188.31 157.23,188.17 157.23,187.21 156.94,186.92 156.09,186.92 155.81,187.21 155.81,188.17 155.67,188.31 155.05,188.31 154.91,188.17 154.91,187.21 154.62,186.92 153.78,186.92 153.49,187.21 153.49,188.17 153.36,188.31 152.73,188.31 152.59,188.17 152.59,187.21 152.31,186.92 151.46,186.92 151.17,187.21 151.17,188.17 151.04,188.31 150.41,188.31 150.28,188.17 150.28,187.21 149.99,186.92 149.15,186.92 148.86,187.21 148.86,188.17 148.72,188.31 147.49,188.31 144.13,191.66
DDR0_DM5_P: length 53
  TOP w0.127: U1.BR54 v1(142.75,194.05)
  ART14 w0.122: 144.32,191.85 144.28,191.85 143.36,192.77 143.36,193.41 143.11,193.66 142.95,193.66 142.75,193.85 v1(142.75,194.05)
  ART14 w0.135: J1.110 177.55,186.73 arc(177.36,186.75) 177.18,186.76 175.68,186.76 arc(175.13,186.65) 174.66,186.34 174.58,186.25 arc(174.2,185.99) 173.75,185.91 172.88,185.91 arc(172.43,185.99) 172.05,186.25 171.94,186.36 arc(171.5,186.65) 170.98,186.76 170.95,186.76 arc(170.43,186.65) 169.99,186.36 169.86,186.23 arc(169.5,185.99) 169.08,185.91 169.05,185.91 arc(168.63,185.99) 168.27,186.23 168.15,186.35 arc(167.7,186.65) 167.17,186.76 160.84,186.76 160.7,186.89 160.7,188.28 160.41,188.57 159.57,188.57 159.28,188.28 159.28,187.31 159.15,187.18 158.52,187.18 158.39,187.31 158.39,188.28 158.1,188.57 157.25,188.57 156.97,188.28 156.97,187.31 156.83,187.18 156.2,187.18 156.07,187.31 156.07,188.28 155.78,188.57 154.94,188.57 154.65,188.28 154.65,187.31 154.51,187.18 153.89,187.18 153.75,187.31 153.75,188.28 153.46,188.57 152.62,188.57 152.33,188.28 152.33,187.31 152.2,187.18 151.57,187.18 151.44,187.31 151.44,188.28 151.15,188.57 150.3,188.57 150.02,188.28 150.02,187.31 149.88,187.18 149.25,187.18 149.12,187.31 149.12,188.28 148.83,188.57 147.6,188.57 144.32,191.85
DDR0_DM6_N: length 66
  TOP w0.127: U1.BJ49 v1(137.75,200.05)
  ART05 w0.112: v1(137.75,200.05) 137.75,199.94 138.14,199.55 138.14,198.76 138.46,198.44 145.35,198.44 145.44,198.53 146.19,198.53 146.2,198.52 146.23,198.52
  ART05 w0.117: J1.122 177.49,176.34 arc(177.37,176.33) 177.25,176.33 175.72,176.33 arc(175.25,176.23) 174.85,175.97 174.77,175.88 arc(174.29,175.57) 173.73,175.45 172.88,175.45 arc(172.33,175.56) 171.87,175.87 171.76,175.98 arc(171.4,176.22) 170.98,176.3 170.95,176.3 arc(170.52,176.22) 170.16,175.98 170.04,175.85 arc(169.6,175.56) 169.08,175.45 169.05,175.45 arc(168.53,175.56) 168.09,175.85 167.96,175.99 arc(167.6,176.22) 167.19,176.3 166.3,176.3 162.69,179.91 162.69,183.51 158.66,187.54 158.49,187.54 158.04,187.08 157.67,187.08 157.1,187.66 157.1,188.02 157.55,188.48 157.55,188.65 157.12,189.08 156.96,189.08 156.5,188.62 156.14,188.62 155.56,189.19 155.56,189.56 156.02,190.02 156.02,190.18 155.59,190.61 155.42,190.61 154.97,190.15 154.6,190.15 154.03,190.73 154.03,191.09 154.48,191.55 154.48,191.72 154.05,192.15 153.89,192.15 153.43,191.69 153.07,191.69 152.49,192.26 152.49,192.63 152.95,193.09 152.95,193.25 152.52,193.68 152.35,193.68 151.9,193.22 151.53,193.22 150.96,193.8 150.96,194.16 151.41,194.62 151.41,194.79 150.98,195.22 150.82,195.22 150.36,194.76 150,194.76 149.42,195.33 149.42,195.7 149.88,196.16 149.88,196.32 149.45,196.75 149.28,196.75 148.83,196.29 148.46,196.29 147.89,196.87 147.89,197.23 148.34,197.69 148.34,197.86 147.68,198.52 146.23,198.52
DDR0_DM6_P: length 66
  TOP w0.127: U1.BJ50 v1(138.75,200.05)
  ART05 w0.112: 146.23,198.76 146.2,198.76 146.19,198.75 145.35,198.75 145.26,198.66 138.55,198.66 138.36,198.85 138.36,199.65 138.27,199.74 138.27,199.94 138.38,200.05 v1(138.75,200.05)
  ART05 w0.117: 146.23,198.76 147.78,198.76 148.59,197.96 148.59,197.59 148.13,197.13 148.13,196.97 148.56,196.54 148.73,196.54 149.18,196.99 149.55,196.99 150.12,196.42 150.12,196.05 149.67,195.6 149.67,195.43 150.1,195 150.26,195 150.72,195.46 151.09,195.46 151.66,194.89 151.66,194.52 151.2,194.06 151.2,193.9 151.63,193.47 151.8,193.47 152.25,193.92 152.62,193.92 153.19,193.35 153.19,192.99 152.74,192.53 152.74,192.36 153.17,191.93 153.33,191.93 153.79,192.39 154.16,192.39 154.73,191.82 154.73,191.45 154.27,190.99 154.27,190.83 154.7,190.4 154.87,190.4 155.32,190.85 155.69,190.85 156.26,190.28 156.26,189.92 155.81,189.46 155.81,189.29 156.24,188.86 156.4,188.86 156.86,189.32 157.23,189.32 157.8,188.75 157.8,188.38 157.34,187.92 157.34,187.76 157.77,187.33 157.94,187.33 158.39,187.78 158.76,187.78 162.94,183.61 162.94,180.01 166.4,176.55 167.19,176.55 arc(167.7,176.45) 168.13,176.16 168.26,176.02 arc(168.62,175.78) 169.05,175.7 169.08,175.7 arc(169.5,175.78) 169.86,176.02 169.99,176.15 arc(170.43,176.44) 170.95,176.55 170.98,176.55 arc(171.5,176.44) 171.94,176.15 172.04,176.05 arc(172.43,175.79) 172.88,175.7 173.73,175.7 arc(174.2,175.79) 174.6,176.06 174.68,176.14 arc(175.16,176.46) 175.72,176.57 177.11,176.57 arc(177.23,176.61) 177.32,176.7 177.33,176.72 arc(177.35,176.87) 177.25,176.99 J1.121
DDR0_DM7_N: length 66.2
  TOP w0.127: U1.BT49 v1(137.75,193.05)
  ART05 w0.112: v1(137.75,193.05) 137.75,193.27 137.86,193.38 138.02,193.38 138.14,193.26 138.14,192.19 138.05,192.1 138.05,191.64 138.04,191.63 138.04,191.6
  ART05 w0.117: J1.133 177.25,167.36 arc(177.34,167.48) 177.33,167.63 177.31,167.67 arc(177.21,167.77) 177.08,167.8 175.68,167.8 arc(175.23,167.71) 174.84,167.45 174.76,167.37 arc(174.29,167.06) 173.74,166.95 172.88,166.95 arc(172.33,167.06) 171.87,167.37 171.76,167.48 arc(171.4,167.72) 170.98,167.8 170.95,167.8 arc(170.52,167.72) 170.16,167.48 170.04,167.35 arc(169.6,167.06) 169.08,166.95 169.05,166.95 arc(168.53,167.06) 168.09,167.35 167.96,167.48 arc(167.6,167.72) 167.18,167.8 160.86,167.8 160.26,168.41 160.26,168.78 161.16,169.68 161.16,169.84 160.73,170.27 160.56,170.27 159.66,169.37 159.29,169.37 158.72,169.94 158.72,170.31 159.62,171.21 159.62,171.38 159.19,171.81 159.03,171.81 158.13,170.91 157.76,170.91 157.19,171.48 157.19,171.85 158.09,172.75 158.09,172.91 157.66,173.34 157.49,173.34 156.59,172.44 156.22,172.44 155.65,173.01 155.65,173.38 156.55,174.28 156.55,174.45 156.12,174.88 155.96,174.88 155.06,173.98 154.69,173.98 138.04,190.63 138.04,191.6
DDR0_DM7_P: length 66.3
  TOP w0.127: U1.BR49 v1(137.75,194.05)
  ART05 w0.112: v1(137.75,194.05) 137.75,193.72 137.86,193.61 138.11,193.61 138.36,193.36 138.36,192.1 138.27,192.01 138.27,191.64 138.28,191.63 138.28,191.6
  ART05 w0.117: 138.28,191.6 138.28,190.73 154.79,174.22 154.95,174.22 155.85,175.12 156.22,175.12 156.8,174.55 156.8,174.18 155.89,173.28 155.89,173.11 156.32,172.69 156.49,172.69 157.39,173.59 157.76,173.59 158.33,173.01 158.33,172.65 157.43,171.74 157.43,171.58 157.86,171.15 158.02,171.15 158.92,172.05 159.29,172.05 159.87,171.48 159.87,171.11 158.96,170.21 158.96,170.04 159.39,169.62 159.56,169.62 160.46,170.52 160.83,170.52 161.4,169.94 161.4,169.58 160.5,168.68 160.5,168.51 160.96,168.05 167.18,168.05 arc(167.7,167.94) 168.14,167.65 168.26,167.52 arc(168.62,167.28) 169.05,167.2 169.08,167.2 arc(169.5,167.28) 169.86,167.52 169.99,167.65 arc(170.43,167.94) 170.95,168.05 170.98,168.05 arc(171.5,167.94) 171.94,167.65 172.04,167.55 arc(172.43,167.29) 172.88,167.2 173.74,167.2 arc(174.2,167.29) 174.59,167.55 174.67,167.63 arc(175.13,167.94) 175.68,168.05 177.21,168.05 arc(177.36,168.04) 177.51,168.03 J1.132
DDR0_DQ0: length 104.2
  TOP w0.173: U1.AL53 v1(141.75,218.05)
  BOTTOM w0.173: J1.5 175.85,281.84 arc(174.92,282.46) 173.83,282.68 172.92,282.68 arc(172.38,282.78) 171.93,283.09 171.85,283.17 arc(171.45,283.43) 170.98,283.52 170.95,283.52 arc(170.48,283.43) 170.08,283.17 169.95,283.03 arc(169.55,282.77) 169.08,282.68 169.05,282.68 arc(168.58,282.77) 168.18,283.03 168.1,283.11 arc(167.64,283.42) 167.11,283.52 166.4,283.52 146.71,263.84 146.71,247.41 146.54,247.24 145.82,247.24 145.65,247.07 145.65,246.64 145.82,246.46 146.54,246.46 146.71,246.29 146.71,245.86 146.54,245.69 145.82,245.69 145.65,245.51 145.65,245.08 145.82,244.91 146.54,244.91 146.71,244.74 146.71,244.31 146.54,244.13 145.82,244.13 145.65,243.96 145.65,243.53 145.82,243.36 146.54,243.36 146.71,243.18 146.71,242.75 146.54,242.58 145.82,242.58 145.65,242.41 145.65,241.97 145.82,241.8 146.54,241.8 146.71,241.63 146.71,241.2 146.54,241.02 145.82,241.02 145.65,240.85 145.65,240.42 145.82,240.25 146.54,240.25 146.71,240.07 146.71,239.64 146.54,239.47 145.82,239.47 145.65,239.3 145.65,238.86 145.82,238.69 146.54,238.69 146.71,238.52 146.71,238.09 146.54,237.91 145.82,237.91 145.65,237.74 145.65,237.31 145.82,237.14 146.54,237.14 146.71,236.96 146.71,236.53 146.54,236.36 145.82,236.36 145.65,236.19 145.65,235.76 145.82,235.58 146.54,235.58 146.71,235.41 146.71,234.98 146.54,234.81 145.8,234.81 145.63,234.63 145.63,224.77 144.9,224.05 143.96,224.05 143.46,224.55 142.53,224.55 142.25,224.27 142.25,218.55 v1(141.75,218.05)
DDR0_DQ1: length 102
  TOP w0.173: U1.AL55 v1(143.75,218.05)
  BOTTOM w0.173: J1.150 180.42,280.13 arc(179.88,280.23) 179.42,280.54 179.35,280.62 arc(178.95,280.88) 178.48,280.98 178.44,280.98 arc(177.98,280.88) 177.58,280.62 177.5,280.54 arc(177.04,280.23) 176.5,280.12 175.72,280.12 arc(175.18,280.23) 174.73,280.54 174.7,280.56 arc(174.24,280.87) 173.7,280.98 172.92,280.98 arc(172.38,281.08) 171.93,281.39 171.85,281.47 arc(171.45,281.73) 170.98,281.82 170.95,281.82 arc(170.48,281.73) 170.08,281.47 169.95,281.33 arc(169.55,281.07) 169.08,280.98 169.05,280.98 arc(168.58,281.07) 168.18,281.33 168.1,281.41 arc(167.64,281.72) 167.11,281.82 166.39,281.82 147.55,262.98 147.55,233.86 147.37,233.69 146.58,233.69 146.41,233.52 146.41,233.08 146.58,232.91 147.37,232.91 147.55,232.74 147.55,232.31 147.37,232.13 146.58,232.13 146.41,231.96 146.41,231.53 146.58,231.36 147.37,231.36 147.55,231.18 147.55,230.75 147.37,230.58 146.58,230.58 146.41,230.41 146.41,229.97 146.58,229.8 147.37,229.8 147.55,229.63 147.55,229.2 147.37,229.02 146.58,229.02 146.41,228.85 146.41,228.42 146.58,228.25 147.37,228.25 147.55,228.07 147.55,227.64 147.37,227.47 146.58,227.47 146.41,227.3 146.41,226.87 146.58,226.69 147.37,226.69 147.55,226.52 147.55,225.58 145.51,223.55 143.51,223.55 143.25,223.29 U1.AL55 v1(143.75,218.05)
DDR0_DQ2: length 93.4
  TOP w0.173: U1.AK56 v1(144.75,219.05)
  ART14 w0.15: v1(144.75,219.05) 145.09,218.71 146.6,218.71 149.06,221.17 149.06,261.13 159.43,271.5 159.64,271.5 160.24,270.9 160.46,270.9 160.76,271.2 160.76,271.41 160.15,272.01 160.15,272.23 160.46,272.53 160.67,272.53 161.27,271.92 161.48,271.92 161.79,272.23 161.79,272.44 161.18,273.04 161.18,273.25 161.49,273.56 161.7,273.56 162.3,272.95 162.51,272.95 162.82,273.26 162.82,273.47 162.21,274.07 162.21,274.28 162.52,274.59 162.73,274.59 163.33,273.98 163.54,273.98 163.85,274.29 163.85,274.5 163.24,275.1 163.24,275.31 163.54,275.62 163.76,275.62 164.36,275.01 164.57,275.01 164.87,275.31 164.87,275.53 164.27,276.13 164.27,276.34 164.65,276.72 167.21,276.72 arc(167.65,276.64) 168.03,276.39 168.18,276.24 arc(168.58,275.97) 169.05,275.87 169.08,275.87 arc(169.55,275.97) 169.95,276.24 170.08,276.36 arc(170.48,276.63) 170.95,276.72 170.98,276.72 arc(171.45,276.63) 171.85,276.36 171.92,276.29 arc(172.38,275.98) 172.92,275.87 173.7,275.87 arc(174.24,275.98) 174.7,276.29 174.72,276.31 arc(175.18,276.62) 175.72,276.72 176.24,276.72 arc(177.02,276.57) 177.69,276.12 177.98,275.84 arc(178.22,275.46) J1.12
